# KiCad board ice60-rounded.kicad_pcb (continued)
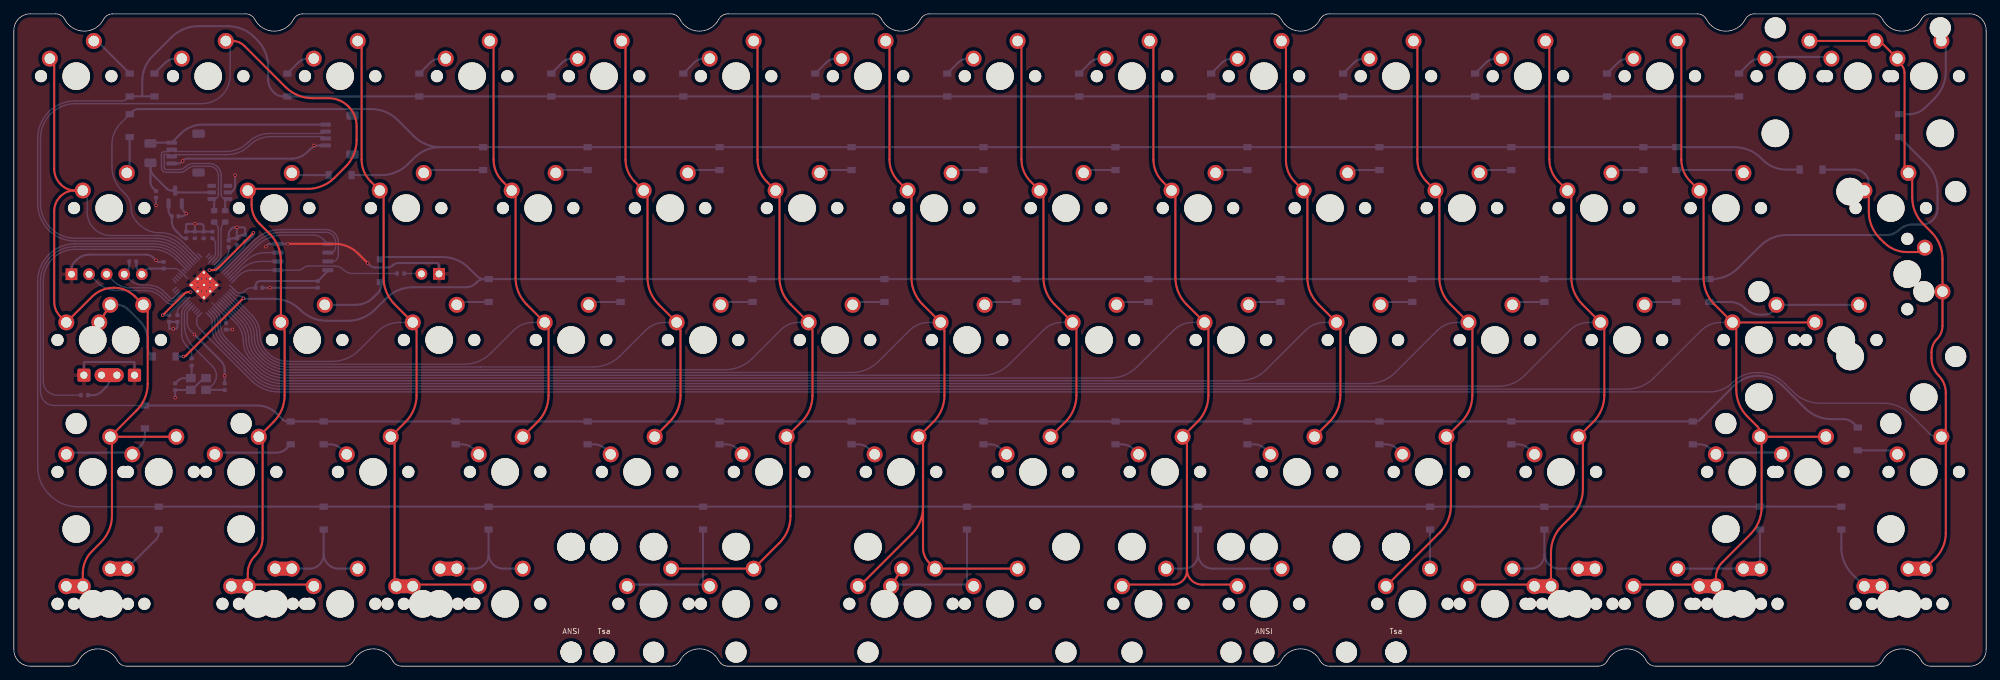
[diagram p0: board, top side]
## Routing (per net, layer and track width the routed paths; a pad name or vN(x,y) marks a point on that pad's centre or on a via; arc(x,y) is an arc through that point)
+1V1: length 29.4
  Top w0.3: v1(34.58,62.58) 29.53,57.53 arc(29.15,57.28) 28.71,57.19 v1(28.23,57.19) ; v1(21.48,50.67) 24.58,53.77 arc(24.85,53.95) 25.18,54.02 v1(25.53,54.02)
  Bottom w0.2: U1.50 33.18,60.5 arc(33.34,60.73) 33.39,61.01 C6.1 ; U1.23 22.48,50.93 arc(22.43,50.86) 22.41,50.77 arc(22.39,50.7) 22.32,50.67 ; 28.06,58.21 28.85,59 arc(29.04,59.28) 29.11,59.62 29.11,61.02 arc(29.05,61.32) 28.88,61.56 C7.1
  Bottom w0.3: v1(21.48,50.67) 22.32,50.67 ; C6.1 33.55,61.31 arc(33.69,61.34) 33.82,61.42 34.44,62.04 arc(34.54,62.2) 34.58,62.38 v1(34.58,62.58)
+3V3: length 47.6
  Bottom w0.2: C14.1 23.6,51.08 arc(23.68,51.46) 23.89,51.78 U1.22 25.39,53.28 ; C16.1 31.01,59.99 arc(30.91,59.5) 30.64,59.09 28.97,57.42 ; C12.1 32.2,60.46 arc(32.13,60.11) 31.94,59.82 U1.49 29.14,57.02 ; 28.63,52.44 U1.10 30.3,50.76 arc(30.53,50.42) 30.61,50.01 C17.1 ; 25.06,56.01 U1.33 23.97,57.09 arc(23.61,57.33) 23.19,57.41 C13.1 ; 31.11,55.04 U1.1 32.06,54.09 arc(32.33,53.91) 32.65,53.85 arc(32.97,53.91) 33.24,54.09 33.4,54.25 arc(33.83,54.54) 34.34,54.64 C10.1
  Bottom w0.3: U3.2 22.34,65.76 arc(22.4,65.45) 22.57,65.19 arc(22.75,64.93) 22.81,64.63 22.81,64.21 arc(22.95,63.51) 23.34,62.92 24.34,61.92 arc(24.49,61.82) 24.68,61.78 C9.1 ; U2.8 45.33,57.12 arc(45.31,57.06) 45.28,57.01 43.88,55.61 arc(43.87,55.6) 43.86,55.61 arc(43.85,55.61) 43.83,55.62 35.58,55.62 arc(35.32,55.57) 35.09,55.42 arc(34.95,55.2) 34.9,54.94 C10.1 ; R1.1 17.67,57.92 arc(17.76,57.45) 18.03,57.05 18.07,57 arc(18.48,56.84) 18.88,57 19.15,57.27 arc(19.31,57.38) 19.5,57.42 19.71,57.42 arc(19.72,57.42) 19.72,57.42 arc(19.72,57.42) 19.72,57.41 C13.1
+5V: length 14.9
  Bottom w0.3: 19.72,72 F1.2 ; 19.72,72 19.72,69.97 arc(19.82,69.45) 20.11,69.01 C2.2 ; 19.72,72 arc(19.84,71.36) 20.2,70.82 22.02,69.01 arc(22.39,68.76) 22.82,68.67 23.1,68.67 arc(23.27,68.64) 23.42,68.54 arc(23.56,68.45) 23.73,68.41 U4.5
GND: length 159.2
  Top w0.3: D68.1 10.11,41.62 ; v1(39.56,60.99) 46.33,60.99 arc(48.14,60.63) 49.68,59.6 v1(51.07,58.21) ; 17.41,41.82 D67.1
  Top w0.6: U1.57 U1.57 ; U1.57 U1.57 ; U1.57 U1.57 ; U1.57 U1.57 ; U1.57 U1.57 ; U1.57 U1.57 ; U1.57 U1.57 ; U1.57 U1.57 ; U1.57 U1.57 ; U1.57 U1.57 ; U1.57 U1.57 ; U1.57 U1.57 ; U1.57 U1.57 ; U1.57 U1.57 ; U1.57 U1.57 ; U1.57 U1.57
  Bottom w0.2: U1.19 25.36,51.55 arc(25.11,51.17) 25.02,50.71 25.02,49.69 arc(25.15,49) 25.54,48.42 v1(26.07,47.89)
  Bottom w0.3: 26.11,62.74 C9.2 24.88,63.7 arc(24.89,63.76) 24.93,63.82 arc(24.98,63.86) 25.05,63.87 v1(26.14,63.87) ; 26.11,62.74 26.13,62.74 ; 26.11,62.74 arc(26.12,62.75) 26.13,62.75 ; v1(51.07,58.21) 51.39,57.89 arc(51.75,57.65) 52.17,57.57 53.94,57.57 arc(54.36,57.65) 54.71,57.89 arc(55.07,58.13) 55.49,58.21 61.06,58.21 arc(61.18,58.19) 61.28,58.12 arc(61.34,58.02) 61.37,57.91 SW0.1 ; v1(36.38,60.59) 36.78,60.99 U2.4 38.13,60.99 arc(38.13,60.99) 38.13,60.99 v1(39.56,60.99) ; v1(32.2,63.37) 31.91,63.37 arc(31.65,63.32) 31.42,63.17 31.32,63.07 arc(31.09,62.73) 31.01,62.32 C16.2 31.17,61.63 arc(31.34,61.75) 31.55,61.79 31.86,61.79 ; v1(32.2,63.37) 32.2,62.13 ; v1(32.2,63.37) 33.08,63.37 arc(33.2,63.35) 33.3,63.28 arc(33.37,63.18) 33.39,63.06 C6.2 33.02,62.27 arc(32.71,62.2) 32.44,62.03 ; J1.1 8.32,57.26 arc(8.44,57.87) 8.78,58.39 9.07,58.67 arc(9.9,59.23) 10.87,59.42 19.12,59.42 arc(19.65,59.32) 20.1,59.02 v1(20.51,58.61) 20.63,58.49 arc(20.76,58.41) 20.91,58.38 C13.2 ; C10.2 v1(36.96,54.64) 43.86,54.64 arc(43.86,54.64) 43.87,54.64 C1.2 ; C17.2 31.52,48.61 arc(31.53,48.61) 31.54,48.61 v1(31.55,48.62) ; 31.86,61.79 arc(32.1,61.89) 32.2,62.13 ; 31.86,61.79 arc(32.17,61.85) 32.44,62.03 ; C15.2 C7.2 ; C15.2 26.13,62.74 ; C15.2 27.39,63.46 arc(27.36,63.62) 27.27,63.75 arc(27.14,63.84) 26.99,63.87 v1(26.14,63.87) ; J2.4 23.75,72.59 arc(23.98,72.64) 24.18,72.77 v1(24.36,72.95) 24.53,73.12 arc(24.72,73.25) 24.94,73.29 40.07,73.29 arc(41.32,73.54) 42.37,74.25 42.74,74.61 arc(43.39,75.05) 44.16,75.2 J2#2.4 ; v1(26.14,63.87) 26.14,62.77 arc(26.14,62.76) 26.13,62.75 ; 32.2,62.13 arc(32.29,62) 32.44,62.03 ; 27.41,41.6 25.77,39.96 arc(25.71,39.92) 25.63,39.9 25.56,39.9 arc(25.55,39.9) 25.53,39.89 arc(25.52,39.88) 25.5,39.87 C5.1 v1(23.29,38.77) ; 26.13,62.74 arc(26.13,62.75) 26.13,62.75 ; U3.1 24.24,66.4 arc(24.31,66.02) 24.52,65.71 v1(24.88,65.36) 24.68,65.16 arc(24.46,65.01) 24.2,64.96 C3.1 ; v1(26.07,47.89) 29.87,44.09 arc(30.29,43.47) 30.43,42.73 v1(30.43,41.94) C4.1 ; U4.2 31.13,68.41 arc(31.35,68.46) 31.53,68.58 31.65,68.7 arc(31.86,69.01) 31.93,69.38 v1(31.93,70.91) ; D68.1 10.11,43.79 arc(10.12,43.84) 10.15,43.89 arc(10.19,43.91) 10.25,43.92 17.28,43.92 arc(17.33,43.91) 17.37,43.89 arc(17.4,43.84) 17.41,43.79 D67.1 ; v1(20.51,66.55) C2.1 ; 23.02,48.7 v1(23.01,48.71) 22.51,48.71 arc(22.47,48.72) 22.44,48.74 arc(22.42,48.77) 22.41,48.81 C8.2 C14.2 23.6,48.97 arc(23.52,48.77) 23.32,48.69 23.05,48.69 arc(23.03,48.69) 23.02,48.7
  vias: v1(43.33,75.2)
VBUS: length 26.2
  Bottom w0.3: F1.1 19.77,75.54 arc(19.83,75.58) 19.9,75.59 J2.1 24.09,76.9 arc(25.53,77.86) 27.23,78.2 J2#2.1
/D_+: length 6.4
  Bottom w0.2: R2.2 30.21,63.84 arc(29.99,63.51) 29.91,63.12 29.91,59.45 arc(29.81,58.96) 29.53,58.55 U1.47
/D_-: length 6.1
  Bottom w0.2: R3.2 29.21,63.84 arc(29.43,63.51) 29.51,63.13 29.51,59.53 arc(29.43,59.12) 29.19,58.78 U1.46
/XTAL_O: length 4.2
  Bottom w0.3: R5.1 25.67,41.72 ; C5.2 23.67,41.22 arc(24.1,41.5) 24.6,41.6 Y1.1
/~{USB_BOOT}: length 2.5
  Bottom w0.2: R4.1 58.73,56.7 arc(58.77,56.7) 58.8,56.68 SW0.2
CAPSLCK: length 45.3
  Bottom w0.2: R6.1 6.24,39.13 arc(4.83,39.71) 4.24,41.13 4.24,55.6 arc(4.59,57.36) 5.59,58.85 arc(7.07,59.84) 8.83,60.19 19.98,60.19 arc(21.85,59.82) 23.43,58.76 U1.35
COL00: length 138.7
  Top w0.3: 13.96,33.13 23.41,33.13 arc(23.43,33.12) 23.45,33.09 23.45,33.05 ; 13.96,33.13 arc(13.95,33.14) 13.95,33.16 ; 13.96,33.13 arc(13.93,33.12) 13.92,33.09 ; 13.95,33.16 17.72,36.93 arc(18.9,38.7) 19.32,40.78 19.32,51.1 arc(19.24,51.51) 19,51.86 17.45,53.41 arc(16.09,54.32) 14.48,54.64 14.4,54.64 arc(12.71,54.31) 11.28,53.35 SW31.1 6.7,50.51 arc(6.05,51.48) 5.82,52.62 5.82,65.71 arc(6.05,66.85) 6.7,67.82 6.73,67.85 arc(7.66,68.47) 8.76,68.69 SW16.1 8.8,68.69 arc(7.74,68.9) 6.84,69.5 6.74,69.6 arc(6.06,70.61) 5.82,71.81 5.82,86.66 arc(5.74,87.07) 5.51,87.42 SW1.1 ; 13.95,33.16 arc(13.93,33.13) 13.92,33.09 ; SW64.1 9.95,13.41 arc(10.3,15.13) 11.27,16.59 12.57,17.88 arc(13.75,19.65) 14.16,21.73 14.16,32.64 arc(14.13,32.8) 14.04,32.93 13.95,33.02 arc(13.93,33.05) 13.92,33.09
  Top w2: SW63.1 9.69,11.54
  Bottom w0.2: U1.40 24.43,60.6 arc(22.66,61.78) 20.58,62.19 13.96,62.19 arc(12.67,62.45) 11.57,63.18 arc(10.84,64.27) 10.59,65.56 10.59,67.61 arc(10.5,68.02) 10.27,68.37 SW16.1
  Bottom w2: SW63.1 9.69,11.54
COL01: length 193.6
  Top w0.3: SW67.1 43.17,11.66 arc(43.04,11.75) 42.88,11.78 34.17,11.78 arc(34.02,11.75) 33.88,11.66 arc(33.81,11.64) 33.77,11.71 33.77,13.36 arc(34.04,14.76) 34.84,15.95 arc(35.63,17.13) 35.91,18.53 35.91,32.18 arc(35.84,32.54) 35.63,32.85 arc(35.52,33.13) 35.63,33.41 37.49,35.27 arc(38.67,37.03) 39.08,39.11 39.08,48.37 arc(39.01,48.74) 38.81,49.04 38.64,49.21 arc(38.56,49.33) 38.53,49.48 38.53,49.62 arc(38.53,49.64) 38.54,49.65 arc(38.55,49.66) 38.55,49.68 38.55,58.56 arc(38.14,60.64) 36.96,62.4 35.42,63.94 arc(34.61,65.16) 34.32,66.59 34.32,67.74 arc(34.25,68.1) 34.04,68.41 33.88,68.57 arc(33.83,68.69) 33.88,68.81 arc(34.02,68.9) 34.17,68.93 42.43,68.93 arc(44.51,69.34) 46.27,70.52 47.89,72.14 arc(49.07,73.9) 49.48,75.98 49.48,77.96 arc(49.17,79.52) 48.29,80.83 arc(46.97,81.72) 45.42,82.02 43.08,82.02 arc(41,82.44) 39.23,83.62 33.27,89.58 arc(32.49,90.1) 31.58,90.28 SW2.2
  Top w2: SW65.1 33.5,11.54
  Bottom w0.2: U1.39 24.26,60.2 arc(22.5,61.38) 20.41,61.79 8.86,61.79 arc(6.94,62.17) 5.31,63.26 arc(4.23,64.89) 3.84,66.81 3.84,76.21 arc(4.23,78.13) 5.32,79.76 arc(6.95,80.85) 8.87,81.23 27.16,81.23 arc(28.72,81.54) 30.03,82.42 arc(30.92,83.74) 31.22,85.3 31.22,89.2 arc(31.14,89.61) 30.91,89.96 SW2.2
  Bottom w2: SW65.1 33.5,11.54
COL02: length 130.9
  Top w0.3: SW3.2 49.64,90.24 arc(49.65,90.2) 49.67,90.17 49.92,89.92 arc(50.12,89.62) 50.2,89.25 50.2,73.16 arc(50.54,71.45) 51.51,70 53.09,68.41 arc(53.3,68.1) 53.37,67.74 53.37,56.1 arc(53.78,54.02) 54.96,52.25 57.47,49.75 arc(57.55,49.63) 57.58,49.48 arc(57.61,49.33) 57.69,49.21 57.86,49.04 arc(58.06,48.74) 58.13,48.37 58.13,39.11 arc(57.72,37.03) 56.54,35.27 54.43,33.16 arc(54.41,33.13) 54.4,33.09 arc(54.41,33.05) 54.43,33.02 54.68,32.77 arc(54.89,32.47) 54.96,32.1 54.96,11.95 arc(54.99,11.79) 55.08,11.66 arc(55.21,11.57) 55.36,11.54 ; SW70.1 66.98,11.66 arc(66.85,11.75) 66.7,11.78 57.98,11.78 arc(57.83,11.75) 57.7,11.66 SW69.1
  Top w2: 55.36,11.54 57.31,11.54
  Bottom w0.2: U1.3 34.41,50.62 arc(35.22,49.39) 35.51,47.95 arc(35.8,46.5) 36.62,45.28 36.7,45.19 arc(38.02,44.31) 39.58,44 45.96,44 arc(48.04,44.42) 49.81,45.6 52.53,48.32 arc(53.99,49.3) 55.71,49.64 SW34.1
  Bottom w2: SW68.1 57.31,11.54
COL03: length 114.7
  Top w0.3: SW51.2 75.59,35.27 arc(76.77,37.03) 77.18,39.11 77.18,48.69 arc(77.11,49.05) 76.91,49.36 74.01,52.25 arc(72.83,54.02) 72.42,56.1 72.42,67.74 arc(72.35,68.1) 72.14,68.41 70.56,70 arc(69.59,71.45) 69.25,73.16 69.25,89.33 arc(69.17,89.69) 68.97,90 SW4.2
  Bottom w0.2: SW35.1 74.96,49.64 arc(73.42,49.33) 72.12,48.46 68.85,45.2 arc(67.09,44.02) 65,43.6 39.58,43.6 arc(37.87,43.94) 36.42,44.91 36.22,45.11 arc(35.4,46.34) 35.11,47.78 arc(34.82,49.23) 34.01,50.45 U1.4
COL04: length 134.2
  Top w0.3: 87.74,90.28 88.02,90 arc(88.22,89.69) 88.3,89.33 88.3,73.16 arc(88.64,71.45) 89.61,70 91.19,68.41 arc(91.4,68.1) 91.47,67.74 91.47,56.1 arc(91.88,54.02) 93.06,52.25 95.57,49.75 arc(95.65,49.63) 95.68,49.48 arc(95.71,49.33) 95.79,49.21 95.96,49.04 arc(96.16,48.74) 96.23,48.37 96.23,39.11 arc(95.82,37.03) 94.64,35.27 SW52.2
  Bottom w0.2: SW36.1 94.01,49.64 arc(92.47,49.33) 91.17,48.46 87.51,44.8 arc(85.74,43.62) 83.66,43.21 67.43,43.21 arc(67.43,43.21) 67.43,43.21 arc(67.42,43.21) 67.42,43.2 39.58,43.2 arc(37.71,43.57) 36.14,44.63 35.82,44.95 arc(35,46.17) 34.71,47.62 arc(34.42,49.06) 33.61,50.29 U1.5
COL05: length 186.7
  Top w0.3: 106.79,90.28 107.07,90 arc(107.27,89.69) 107.35,89.33 107.35,73.16 arc(107.69,71.45) 108.66,70 110.24,68.41 arc(110.45,68.1) 110.52,67.74 110.52,56.1 arc(110.93,54.02) 112.11,52.25 114.62,49.75 arc(114.7,49.63) 114.73,49.48 arc(114.76,49.33) 114.84,49.21 115.01,49.04 arc(115.21,48.74) 115.28,48.37 115.28,39.11 arc(114.87,37.03) 113.69,35.27 111.83,33.41 arc(111.72,33.13) 111.83,32.85 arc(112.04,32.54) 112.11,32.18 112.11,21.65 arc(111.69,19.57) 110.51,17.8 106.79,14.08 SW71.2
  Bottom w0.2: SW37.1 113.26,49.64 arc(111.9,49.37) 110.75,48.6 106.56,44.4 arc(104.79,43.22) 102.71,42.81 67.6,42.81 arc(67.6,42.81) 67.59,42.81 arc(67.59,42.81) 67.59,42.8 39.58,42.8 arc(37.56,43.21) 35.85,44.35 35.42,44.78 arc(34.6,46.01) 34.31,47.45 arc(34.02,48.9) 33.21,50.12 U1.6
COL06: length 228.6
  Top w0.3: SW74.1 121.96,11.54 arc(122.04,11.56) 122.11,11.6 129.64,19.13 arc(130.82,20.9) 131.24,22.98 131.24,32.49 131.24,17.06 arc(131.46,15.92) 132.11,14.95 SW73.2 ; SW75.2 133.3,14.08 ; SW54.2 132.74,35.27 arc(133.92,37.03) 134.33,39.11 134.33,48.37 arc(134.26,48.74) 134.06,49.04 133.89,49.21 arc(133.81,49.33) 133.78,49.48 arc(133.75,49.63) 133.67,49.75 131.16,52.25 arc(129.98,54.02) 129.57,56.1 129.57,67.74 arc(129.5,68.1) 129.29,68.41 127.71,70 arc(126.74,71.45) 126.4,73.16 126.4,89.33 arc(126.32,89.69) 126.12,90 SW7.2
  Bottom w0.2: SW38.1 132.11,49.64 arc(130.57,49.33) 129.27,48.46 124.8,44 arc(123.04,42.82) 120.95,42.4 39.48,42.4 arc(37.4,42.82) 35.64,44 35.02,44.62 arc(34.2,45.84) 33.91,47.29 arc(33.62,48.73) 32.81,49.95 U1.7
COL07: length 192.9
  Top w0.3: SW55.2 151.79,35.27 arc(152.97,37.03) 153.38,39.11 153.38,48.69 arc(153.31,49.05) 153.11,49.36 150.21,52.25 arc(149.03,54.02) 148.62,56.1 148.62,67.74 arc(148.55,68.1) 148.34,68.41 146.76,70 arc(145.79,71.45) 145.45,73.16 145.45,89.33 arc(145.37,89.69) 145.17,90 SW8.2
  Bottom w0.2: U1.8 32.41,49.79 arc(33.22,48.56) 33.51,47.12 arc(33.8,45.68) 34.62,44.45 35.47,43.6 arc(37.24,42.42) 39.32,42 139.85,42 arc(141.93,42.42) 143.7,43.6 148.65,48.55 arc(149.86,49.36) 151.28,49.64 SW39.1
COL08: length 252.1
  Top w0.3: SW76.1 160.09,11.66 arc(160.22,11.75) 160.38,11.78 167.34,11.78 arc(168.75,12.36) 169.34,13.78 ; 169.34,13.78 169.34,32.05 arc(169.25,32.46) 169.02,32.81 168.73,33.1 ; 169.34,13.78 arc(170.02,12.36) 171.68,11.78 176.23,11.78 arc(176.39,11.75) 176.52,11.66 SW77.1 ; 168.73,33.16 170.84,35.27 arc(172.02,37.03) 172.43,39.11 172.43,48.69 arc(172.36,49.05) 172.16,49.36 169.26,52.25 arc(168.08,54.02) 167.67,56.1 167.67,67.74 arc(167.6,68.1) 167.39,68.41 165.81,70 arc(164.84,71.45) 164.5,73.16 164.5,89.33 arc(164.42,89.69) 164.22,90 SW9.2 ; 168.73,33.16 arc(168.72,33.13) 168.73,33.1 ; 168.73,33.16 arc(168.71,33.13) 168.7,33.09 ; 169.34,32.42 168.73,33.02 arc(168.71,33.05) 168.7,33.09 ; 168.73,33.1 arc(168.71,33.11) 168.7,33.09
  Bottom w0.2: SW40.1 170.21,49.64 arc(168.67,49.33) 167.37,48.46 162.1,43.2 arc(160.34,42.02) 158.25,41.6 39.15,41.6 arc(37.07,42.02) 35.3,43.2 34.22,44.29 arc(33.4,45.51) 33.11,46.95 arc(32.82,48.4) 32.01,49.62 U1.9
COL09: length 231.9
  Top w0.3: SW57.2 189.89,35.27 arc(191.07,37.03) 191.48,39.11 191.48,48.69 arc(191.41,49.05) 191.21,49.36 188.31,52.25 arc(187.13,54.02) 186.72,56.1 186.72,67.74 arc(186.65,68.1) 186.44,68.41 184.89,69.96 arc(183.96,71.37) 183.62,73.03 183.62,89.2 arc(183.54,89.61) 183.31,89.96 SW10.2
  Bottom w0.2: SW41.1 189.26,49.64 arc(187.72,49.33) 186.42,48.46 180.75,42.8 arc(178.99,41.62) 176.9,41.2 38.98,41.2 arc(36.9,41.62) 35.13,42.8 30.73,47.2 arc(30.06,48.2) 29.82,49.39 29.82,50.01 arc(29.7,50.62) 29.35,51.15 U1.11
COL10: length 276.8
  Top w0.3: SW78.1 205.84,19.31 arc(207.02,21.08) 207.44,23.16 207.44,32.05 arc(207.35,32.46) 207.12,32.81 arc(206.99,33.13) 207.12,33.45 208.94,35.27 arc(210.12,37.03) 210.53,39.11 210.53,48.69 arc(210.46,49.05) 210.26,49.36 207.36,52.25 arc(206.18,54.02) 205.77,56.1 205.77,67.74 arc(205.7,68.1) 205.49,68.41 203.91,70 arc(202.94,71.45) 202.6,73.16 202.6,89.25 arc(202.52,89.62) 202.32,89.92 202.07,90.17 arc(202.05,90.2) 202.04,90.24 SW11.2
  Bottom w0.2: SW42.1 208.31,49.64 arc(206.77,49.33) 205.47,48.46 199.4,42.4 arc(197.64,41.22) 195.55,40.8 38.81,40.8 arc(36.73,41.22) 34.96,42.4 30.33,47.03 arc(29.66,48.04) 29.42,49.22 29.42,49.92 arc(29.32,50.46) 29.01,50.92 U1.12
COL11: length 310.6
  Top w0.3: SW81.1 210.1,11.66 arc(210.23,11.75) 210.38,11.78 219.1,11.78 arc(219.25,11.75) 219.38,11.66 ; 219.67,11.54 SW79.1 221.88,16.43 arc(222.3,18.51) 223.48,20.28 224.89,21.69 arc(226.07,23.46) 226.49,25.54 226.49,32.05 arc(226.4,32.46) 226.17,32.81 arc(226.04,33.13) 226.17,33.45 227.99,35.27 arc(229.17,37.03) 229.58,39.11 229.58,48.69 arc(229.51,49.05) 229.31,49.36 226.41,52.25 arc(225.23,54.02) 224.82,56.1 224.82,67.74 arc(224.75,68.1) 224.54,68.41 222.96,70 arc(221.99,71.45) 221.65,73.16 221.65,89.33 arc(221.57,89.69) 221.37,90 SW12.2 ; 219.67,11.54 arc(219.52,11.57) 219.38,11.66 ; 219.67,11.54 arc(219.52,11.57) 219.38,11.66
  Top w2: 219.67,11.54 221.62,11.54
  Bottom w0.2: U1.13 28.67,50.7 arc(28.93,50.31) 29.02,49.84 29.02,49.03 arc(29.26,47.81) 29.95,46.78 34.74,42 arc(36.5,40.82) 38.59,40.4 214.25,40.4 arc(216.33,40.82) 218.1,42 224.58,48.48 arc(225.87,49.34) 227.38,49.64 SW43.1
  Bottom w2: SW80.1 221.62,11.54
COL12: length 351.9
  Top w0.3: SW45.1 SW44.1 245.5,52.22 arc(244.32,53.98) 243.91,56.06 243.91,67.68 arc(243.83,68.06) 243.61,68.39 242.01,70 arc(241.04,71.45) 240.7,73.16 240.7,89.33 arc(240.62,89.69) 240.42,90 SW13.2 ; 252.21,33.13 SW61.2 ; 252.21,33.13 arc(252.15,33.09) 252.17,33.01 ; 252.21,33.13 arc(252.1,33.18) 252.05,33.3 ; 252.05,33.3 252.05,33.69 arc(251.94,34.2) 251.65,34.63 250.23,36.06 arc(249.05,37.83) 248.63,39.91 248.63,49.16 ; 252.05,33.3 arc(252.08,33.14) 252.17,33.01 ; SW84.1 233.91,11.66 arc(234.04,11.75) 234.2,11.78 242.91,11.78 arc(243.06,11.75) 243.2,11.66 arc(243.33,11.57) 243.48,11.54 SW82.1 245.7,12.81 arc(245.93,13.98) 246.59,14.98 250.69,19.07 arc(251.87,20.84) 252.28,22.92 252.28,32.72 arc(252.25,32.88) 252.17,33.01
  Top w2: 245.43,11.54 243.48,11.54 arc(243.33,11.57) 243.2,11.66
  Bottom w0.2: SW44.1 246.41,49.64 arc(244.87,49.33) 243.57,48.46 236.7,41.6 arc(234.94,40.42) 232.85,40 38.42,40 arc(36.34,40.42) 34.57,41.6 29.55,46.62 arc(28.86,47.65) 28.62,48.86 28.62,49.76 arc(28.55,50.15) 28.33,50.47 U1.14
  Bottom w2: SW83.1 245.43,11.54
COL13: length 357.5
  Top w0.3: SW14.2 269.03,90.28 arc(269.33,90.22) 269.57,90.06 271.78,87.85 arc(271.86,87.73) 271.89,87.58 arc(271.92,87.43) 272,87.31 272.41,86.91 arc(272.79,86.34) 272.92,85.66 272.92,72.18 arc(272.99,71.82) 273.2,71.51 273.76,70.95 arc(273.96,70.64) 274.03,70.28 274.03,67.69 arc(274.45,65.61) 275.63,63.84 276.8,62.66 arc(277.98,60.9) 278.4,58.82 278.4,49.15 arc(278.19,48.12) 277.6,47.24 arc(277.02,46.36) 276.81,45.32 276.81,44.46 arc(277.08,43.11) 277.84,41.97 arc(278.61,40.82) 278.88,39.47 278.88,34.21 arc(278.79,33.8) 278.56,33.45 arc(278.43,33.13) 278.56,32.81 arc(278.79,32.46) 278.88,32.05 278.88,19.23 arc(278.48,17.26) 277.37,15.59 SW85.2
  Top w2: SW85.2 SW86.2
  Bottom w0.2: U1.15 26.61,50.54 arc(26.44,50.28) 26.38,49.98 26.38,49.74 arc(26.49,49.21) 26.79,48.76 34.35,41.2 arc(36.11,40.02) 38.2,39.6 244.8,39.6 arc(246.62,39.97) 248.16,41 arc(249.71,42.03) 251.53,42.39 251.81,42.39 arc(253.89,41.98) 255.65,40.8 256.88,39.57 arc(258.65,38.39) 260.73,37.97 269.87,37.97 arc(271.96,37.56) 273.72,36.38 276.52,33.58 arc(277.02,33.25) 277.6,33.13 SW62.2
  Bottom w2: SW86.2 SW85.2
CS: length 24.6
  Bottom w0.2: U1.56 32.48,56.41 arc(33.34,56.98) 34.35,57.18 U2.1 41.06,57.18 arc(41.45,57.26) 41.78,57.48 arc(42.12,57.7) 42.51,57.78 46.29,57.78 arc(46.99,57.64) 47.58,57.24 arc(48.18,56.85) 48.88,56.71 55.32,56.71 arc(55.32,56.71) 55.32,56.71 R4.2
D_N: length 41.9
  Bottom w0.2: J2#2.2 44.86,77.06 arc(44.71,76.96) 44.53,76.93 36.94,76.93 arc(35.24,76.59) 33.79,75.62 arc(32.35,74.66) 30.65,74.32 23.25,74.32 arc(23.07,74.35) 22.92,74.46 arc(22.78,74.51) 22.64,74.46 22.63,74.44 arc(22.47,74.33) 22.27,74.29 21.66,74.29 arc(21.52,74.27) 21.41,74.19 arc(21.33,74.08) 21.3,73.94 21.3,71.99 arc(21.35,71.73) 21.5,71.51 arc(21.72,71.36) 21.98,71.31 23.94,71.31 arc(24.51,71.42) 25,71.75 arc(25.49,72.08) 26.07,72.19 28.21,72.19 arc(28.71,72.09) 29.14,71.81 arc(29.43,71.38) 29.53,70.87 29.53,68.11 arc(29.48,67.87) 29.34,67.65 29.14,67.46
  Bottom w0.3: R3.1 28.92,67.38 arc(28.91,67.41) 28.89,67.44 arc(28.86,67.46) 28.83,67.46 U4.4
D_P: length 41.2
  Bottom w0.2: 30.31,67.46 30.12,67.65 arc(29.98,67.87) 29.93,68.12 29.93,70.87 arc(29.79,71.53) 29.42,72.09 arc(28.86,72.46) 28.21,72.59 25.91,72.59 arc(25.33,72.48) 24.84,72.15 arc(24.35,71.82) 23.77,71.71 21.98,71.71 arc(21.87,71.73) 21.79,71.79 arc(21.73,71.88) 21.71,71.98 21.71,73.86 arc(21.71,73.87) 21.72,73.88 arc(21.73,73.89) 21.75,73.89 22.27,73.89 arc(22.46,73.86) 22.63,73.74 22.64,73.73 arc(22.78,73.67) 22.92,73.73 arc(23.07,73.83) 23.25,73.87 30.83,73.87 arc(32.54,74.21) 33.98,75.17 arc(35.42,76.14) 37.12,76.47 44.53,76.47 arc(44.71,76.44) 44.86,76.34 J2#2.3
  Bottom w0.3: U4.3 30.8,67.46 arc(30.71,67.45) 30.63,67.39 30.6,67.37 arc(30.53,67.26) 30.5,67.13 R2.1
QSPI_CLK: length 21.2
  Bottom w0.2: U2.6 45.71,59.72 arc(45.99,59.77) 46.22,59.93 arc(46.37,60.16) 46.43,60.43 46.43,61.28 arc(46.32,61.81) 46.02,62.25 arc(45.58,62.55) 45.05,62.65 38.72,62.65 arc(36.64,62.24) 34.87,61.06 U1.52
ROW0: length 299.3
  Bottom w0.2: U1.38 24.1,59.8 arc(22.33,60.98) 20.25,61.39 8.86,61.39 arc(6.79,61.8) 5.03,62.98 arc(3.86,64.73) 3.44,66.81 3.44,76.21 arc(3.86,78.28) 5.03,80.04 arc(6.79,81.22) 8.87,81.63 15.61,81.63 arc(16.04,81.72) 16.4,81.96
  Bottom w0.3: D14.1 D13.1 D12.1 D11.1 D10.1 D9.1 D8.1 D7.1 D6.1 D5.1 D4.1 D3.1 38.8,82.28 arc(38.17,82.41) 37.63,82.76 37.41,82.99 arc(36.89,83.77) 36.7,84.69 36.7,86.6 arc(36.29,88.68) 35.11,90.45 34.72,90.83 arc(32.96,92.01) 30.88,92.42 26.61,92.42 arc(24.53,92.01) 22.77,90.83 20.04,88.1 arc(18.92,86.43) 18.53,84.45 18.53,82.31 ; D2.1 17.18,82.28 arc(16.76,82.2) 16.4,81.96
ROW1: length 286.1
  Bottom w0.2: U1.41 24.3,61.29 arc(22.86,62.25) 21.15,62.59 20.98,62.59 arc(19.43,62.9) 18.12,63.77 17.78,64.12 arc(17.16,65.05) 16.94,66.15 arc(16.72,67.25) 16.1,68.18 15.55,68.73 arc(14.52,70.27) 14.16,72.08 14.16,75.33 arc(14.49,77.01) 15.44,78.42 16.35,79.33
  Bottom w0.3: D28.1 255.82,71.71 arc(254.02,72.07) 252.49,73.09 252.23,73.35 arc(250.46,74.53) 248.38,74.94 D27.1 D26.1 D25.1 D24.1 D23.1 D22.1 D21.1 D20.1 D19.1 D18.1 D17.1 61.59,74.94 ; 61.59,74.94 arc(59.56,74.58) 57.93,73.53 56.9,72.51 arc(55.14,71.33) 53.06,70.91 D16.1 ; 61.59,74.94 arc(59.51,75.36) 57.75,76.54 55.43,78.86 arc(53.66,80.04) 51.58,80.45 17.99,80.45 arc(17.51,80.35) 17.09,80.08 16.35,79.33
ROW2: length 295
  Top w0.3: v1(33.13,53.13) 33.13,53.13 arc(33.13,53.13) 33.13,53.13 24.8,44.8 arc(24.71,44.74) 24.6,44.72 v1(24.48,44.72)
  Bottom w0.2: U1.2 31.9,53.69 arc(32.17,53.51) 32.48,53.45 32.59,53.45 arc(32.8,53.41) 32.97,53.29 v1(33.13,53.13)
  Bottom w0.3: D30.1 53.14,58.92 arc(53.33,59.04) 53.54,59.09 61.83,59.09 arc(63.91,58.67) 65.68,57.49 66.84,56.34 arc(67.33,56.01) 67.9,55.89 ; 67.9,55.89 D31.1 D32.1 D33.1 D34.1 D35.1 D36.1 D37.1 D38.1 D39.1 D40.1 245.05,55.89 arc(247.13,56.31) 248.89,57.49 252.07,60.67 arc(253.84,61.85) 255.92,62.26 270.35,62.26 arc(271.33,62.46) 272.17,63.01 arc(273,63.57) 273.99,63.77 275.38,63.77 arc(276.26,63.94) 277.01,64.44 arc(277.51,65.19) 277.68,66.07 277.68,68.66 arc(277.27,70.74) 276.09,72.51 272.19,76.41 ; 67.9,55.89 arc(67.33,55.78) 66.84,55.45 66.69,55.31 arc(66.04,54.87) 65.27,54.72 57.61,54.72 arc(55.53,54.31) 53.76,53.13 52.11,51.47 arc(50.34,50.29) 48.26,49.88 45.16,49.88 arc(43.09,50.29) 41.33,51.47 arc(39.57,52.64) 37.5,53.06 33.26,53.06 arc(33.21,53.07) 33.17,53.09 v1(33.13,53.13) ; v1(24.48,44.72) 23.35,44.72
ROW3: length 310.2
  Bottom w0.2: 25.03,57.73 23.6,59.16 arc(22.02,60.22) 20.15,60.59 8.83,60.59 arc(6.92,60.21) 5.3,59.13 arc(4.22,57.51) 3.84,55.6 3.84,39.64 arc(4.43,38.22) 5.84,37.64 D43.1
  Bottom w0.3: D56.1 265.57,35.07 arc(264.9,35.51) 264.11,35.67 262.4,35.67 arc(260.31,36.08) 258.55,37.26 255.33,40.48 arc(253.71,41.56) 251.81,41.94 arc(249.9,41.56) 248.29,40.48 243.41,35.61 arc(243.11,35.41) 242.75,35.34 D55.1 D54.1 D53.1 D52.1 D51.1 D50.1 D49.1 D48.1 D47.1 D46.1 D45.1 39.52,35.34 arc(39.12,35.42) 38.77,35.64 37.93,36.49 arc(36.66,37.34) 35.15,37.64 D43.1
ROW4: length 316.6
  Bottom w0.2: D57.1 9.13,23.03 arc(7.05,23.45) 5.28,24.63 5.04,24.87 arc(3.86,26.63) 3.44,28.72 3.44,55.6 arc(3.85,57.67) 5.02,59.41 arc(6.77,60.58) 8.83,60.99 20.15,60.99 arc(22.17,60.59) 23.88,59.44 25.43,57.89
  Bottom w0.3: D57.1 D58.1 D59.1 D60.1 D61.1 D62.1 D64.1 D66.1
SD0: length 17
  Bottom w0.2: 30.92,56.54 35.04,60.66 arc(36.8,61.84) 38.89,62.25 43.17,62.25 arc(43.99,62.09) 44.69,61.62 U2.5
SD1: length 7.6
  Bottom w0.2: U1.55 32.69,57.18 arc(34.1,58.12) 35.75,58.45 U2.2
SD2: length 8.3
  Bottom w0.2: U2.3 36.39,59.72 arc(34.8,59.4) 33.44,58.5 U1.54
SD3: length 23.8
  Bottom w0.2: U2.7 45.97,58.45 arc(46.3,58.52) 46.58,58.7 arc(46.76,58.98) 46.83,59.3 46.83,61.28 arc(46.69,61.96) 46.31,62.53 arc(45.73,62.92) 45.05,63.05 38.55,63.05 arc(36.47,62.64) 34.71,61.46 U1.51
SWCLK: length 15.3
  Bottom w0.2: U1.24 23.56,52.57 arc(23.21,52.34) 22.8,52.26 arc(22.39,52.34) 22.05,52.57 21.37,53.25 arc(20.27,53.98) 18.98,54.24 14.88,54.24 arc(13.34,54.55) 12.04,55.42 J1.2
SWD: length 12.3
  Bottom w0.2: U1.25 23.27,52.85 arc(23.06,52.71) 22.8,52.66 arc(22.55,52.71) 22.33,52.85 21.53,53.65 arc(20.44,54.38) 19.14,54.64 16.74,54.64 arc(15.46,54.89) 14.38,55.62 J1.3
XTAL_IN: length 17.3
  Bottom w0.2: 27.94,39.9 28.7,40.65 arc(29.1,41.26) 29.24,41.97 arc(29.1,42.68) 28.7,43.28 26.03,45.94 arc(24.98,47.51) 24.61,49.36 24.61,50.79 arc(24.72,51.32) 25.02,51.78 U1.20
  Bottom w0.3: C4.2 30.42,39.89 arc(30.4,39.9) 30.39,39.9 Y1.3
XTAL_OUT: length 8.8
  Bottom w0.2: 25.67,44.43 25.67,44.97 arc(25.57,45.47) 25.29,45.89 24.94,46.24 arc(24.4,47.04) 24.21,47.99 24.21,50.87 arc(24.34,51.48) 24.68,52 U1.21
~{RESET}: length 11.2
  Bottom w0.2: U1.26 22.99,53.14 arc(22.9,53.08) 22.8,53.06 arc(22.7,53.08) 22.61,53.14 21.7,54.05 arc(20.6,54.78) 19.31,55.04 18.6,55.04 arc(17.58,55.24) 16.72,55.82 16.29,56.24
  Bottom w0.3: R1.2 16.65,57.81 arc(16.55,57.35) 16.29,56.96 arc(16.14,56.6) 16.29,56.24
Net-(D1-Pad2): length 7.1
  Bottom w0.3: D1.2 12.19,90.11 arc(12,90.24) 11.78,90.28 SW1.2
Net-(D2-Pad2): length 4.7
  Bottom w0.3: SW2.1 23.35,87.74 arc(22.52,87.58) 21.82,87.11 D2.2
Net-(D3-Pad2): length 4.6
  Bottom w0.3: SW3.1 42.47,87.74 arc(41.7,87.59) 41.06,87.16 D3.2
Net-(D4-Pad2): length 4.6
  Bottom w0.3: SW4.1 61.52,87.74 arc(60.75,87.59) 60.11,87.16 D4.2
Net-(D5-Pad2): length 4.6
  Bottom w0.3: D5.2 79.16,87.16 arc(79.8,87.59) 80.56,87.74 SW5.1
Net-(D6-Pad2): length 4.6
  Bottom w0.3: D6.2 98.21,87.16 arc(98.85,87.59) 99.61,87.74 SW6.1
Net-(D7-Pad2): length 4.6
  Bottom w0.3: SW7.1 118.67,87.74 arc(117.9,87.59) 117.26,87.16 D7.2
Net-(D8-Pad2): length 4.6
  Bottom w0.3: SW8.1 137.71,87.74 arc(136.95,87.59) 136.31,87.16 D8.2
Net-(D9-Pad2): length 4.6
  Bottom w0.3: D9.2 155.36,87.16 arc(156,87.59) 156.76,87.74 SW9.1
Net-(D10-Pad2): length 4.6
  Bottom w0.3: D10.2 174.41,87.16 arc(175.05,87.59) 175.81,87.74 SW10.1
Net-(D11-Pad2): length 4.6
  Bottom w0.3: D11.2 193.46,87.16 arc(194.1,87.59) 194.87,87.74 195.69,87.74
Net-(D12-Pad2): length 4.6
  Bottom w0.3: D12.2 212.51,87.16 arc(213.15,87.59) 213.92,87.74 SW12.1
Net-(D13-Pad2): length 4.6
  Bottom w0.3: SW13.1 232.96,87.74 arc(232.2,87.59) 231.56,87.16 D13.2
Net-(D14-Pad2): length 14.3
  Bottom w0.3: SW15.1 262.25,87.86 arc(262.11,87.95) 261.96,87.98 253.25,87.98 arc(253.09,87.95) 252.96,87.86 arc(252.83,87.77) 252.67,87.74 252.01,87.74 arc(251.25,87.59) 250.61,87.16 D14.2
Net-(D15-Pad2): length 5.3
  Bottom w0.3: SW16.2 16.51,71.44 arc(16.67,71.67) 16.72,71.95 D15.2
Net-(D16-Pad2): length 5.4
  Bottom w0.3: SW17.2 40.27,71.07 arc(40.45,70.95) 40.66,70.91 45.45,70.91
Net-(D17-Pad2): length 8.7
  Bottom w0.3: D17.2 59.87,71.64 arc(59.6,71.59) 59.37,71.44 SW18.2
Net-(D18-Pad2): length 4.7
  Bottom w0.3: D18.2 78.92,71.64 arc(78.65,71.59) 78.42,71.44 SW19.2
Net-(D19-Pad2): length 4.7
  Bottom w0.3: D19.2 97.97,71.64 arc(97.7,71.59) 97.47,71.44 SW20.2
Net-(D20-Pad2): length 4.7
  Bottom w0.3: SW21.2 116.52,71.44 arc(116.75,71.59) 117.02,71.64 D20.2
Net-(D21-Pad2): length 4.7
  Bottom w0.3: D21.2 136.07,71.64 arc(135.8,71.59) 135.57,71.44 SW22.2
Net-(D22-Pad2): length 4.7
  Bottom w0.3: SW23.2 154.62,71.44 arc(154.85,71.59) 155.12,71.64 D22.2
Net-(D23-Pad2): length 4.7
  Bottom w0.3: D23.2 174.17,71.64 arc(173.9,71.59) 173.67,71.44 SW24.2
Net-(D24-Pad2): length 4.7
  Bottom w0.3: D24.2 193.22,71.64 arc(192.95,71.59) 192.72,71.44 SW25.2
Net-(D25-Pad2): length 4.7
  Bottom w0.3: D25.2 212.27,71.64 arc(212,71.59) 211.77,71.44 SW26.2
Net-(D26-Pad2): length 4.7
  Bottom w0.3: D26.2 231.32,71.64 arc(231.05,71.59) 230.82,71.44 SW27.2
Net-(D27-Pad2): length 9.3
  Bottom w0.3: D27.2 249.25,71.64
Net-(D28-Pad2): length 23.9
  Top w0.3: 267.46,68.69 267.61,68.69 arc(267.72,68.65) 267.76,68.54 267.76,65.63 arc(268.18,63.54) 269.36,61.78 269.96,61.18 arc(271.48,60.16) 273.28,59.8 274.77,59.8 arc(275.19,59.88) 275.54,60.12 275.86,60.43
  Bottom w0.3: D28.2 265.73,71.71 arc(266.51,71.55) 267.17,71.11 267.22,71.05 arc(267.62,70.46) 267.76,69.76 267.76,69.21 arc(267.72,69.01) 267.61,68.84 267.46,68.69
Net-(D29-Pad2): length 16.8
  Top w0.3: SW31.2 SW32.1
  Bottom w0.3: SW32.1 SW31.2 14.87,52.18 arc(15.75,52) 16.5,51.51 18.17,49.83 arc(19.02,48.56) 19.32,47.07 19.32,45.97 arc(19.41,45.49) 19.68,45.08 D29.2
Net-(D30-Pad2): length 9.9
  Bottom w0.3: SW33.2 49.32,52.18 arc(50.72,52.46) 51.9,53.25 52.57,53.92 arc(52.87,54.37) 52.97,54.89 D30.2
Net-(D31-Pad2): length 4.7
  Bottom w0.3: D31.2 64.63,52.59 arc(64.36,52.54) 64.13,52.39 SW34.2
Net-(D32-Pad2): length 4.7
  Bottom w0.3: D32.2 83.68,52.59 arc(83.41,52.54) 83.18,52.39 SW35.2
Net-(D33-Pad2): length 4.7
  Bottom w0.3: SW36.2 102.23,52.39 arc(102.46,52.54) 102.73,52.59 D33.2
Net-(D34-Pad2): length 4.7
  Bottom w0.3: SW37.2 121.28,52.39 arc(121.51,52.54) 121.78,52.59 D34.2
Net-(D35-Pad2): length 4.7
  Bottom w0.3: SW38.2 140.33,52.39 arc(140.56,52.54) 140.83,52.59 D35.2
Net-(D36-Pad2): length 4.7
  Bottom w0.3: SW39.2 159.38,52.39 arc(159.61,52.54) 159.88,52.59 D36.2
Net-(D37-Pad2): length 4.7
  Bottom w0.3: SW40.2 178.43,52.39 arc(178.66,52.54) 178.93,52.59 D37.2
Net-(D38-Pad2): length 4.7
  Bottom w0.3: SW41.2 197.48,52.39 arc(197.71,52.54) 197.98,52.59 D38.2
Net-(D39-Pad2): length 4.7
  Bottom w0.3: D39.2 217.03,52.59 arc(216.76,52.54) 216.53,52.39 SW42.2
Net-(D40-Pad2): length 4.7
  Bottom w0.3: SW43.2 235.58,52.39 arc(235.81,52.54) 236.08,52.59 D40.2
Net-(D41-Pad2): length 22.7
  Bottom w0.3: D41.2 247.67,52.59 arc(248.87,52.35) 249.89,51.67 249.9,51.66 arc(250.91,50.99) 252.11,50.75 252.67,50.75 arc(253.34,50.89) 253.91,51.27 254.29,51.64 arc(254.39,51.8) 254.43,51.98 arc(254.49,52.12) 254.63,52.18 SW45.2
